# Altium PCB 3d_design_approx.PcbDoc (part 3 of 3) (continued)
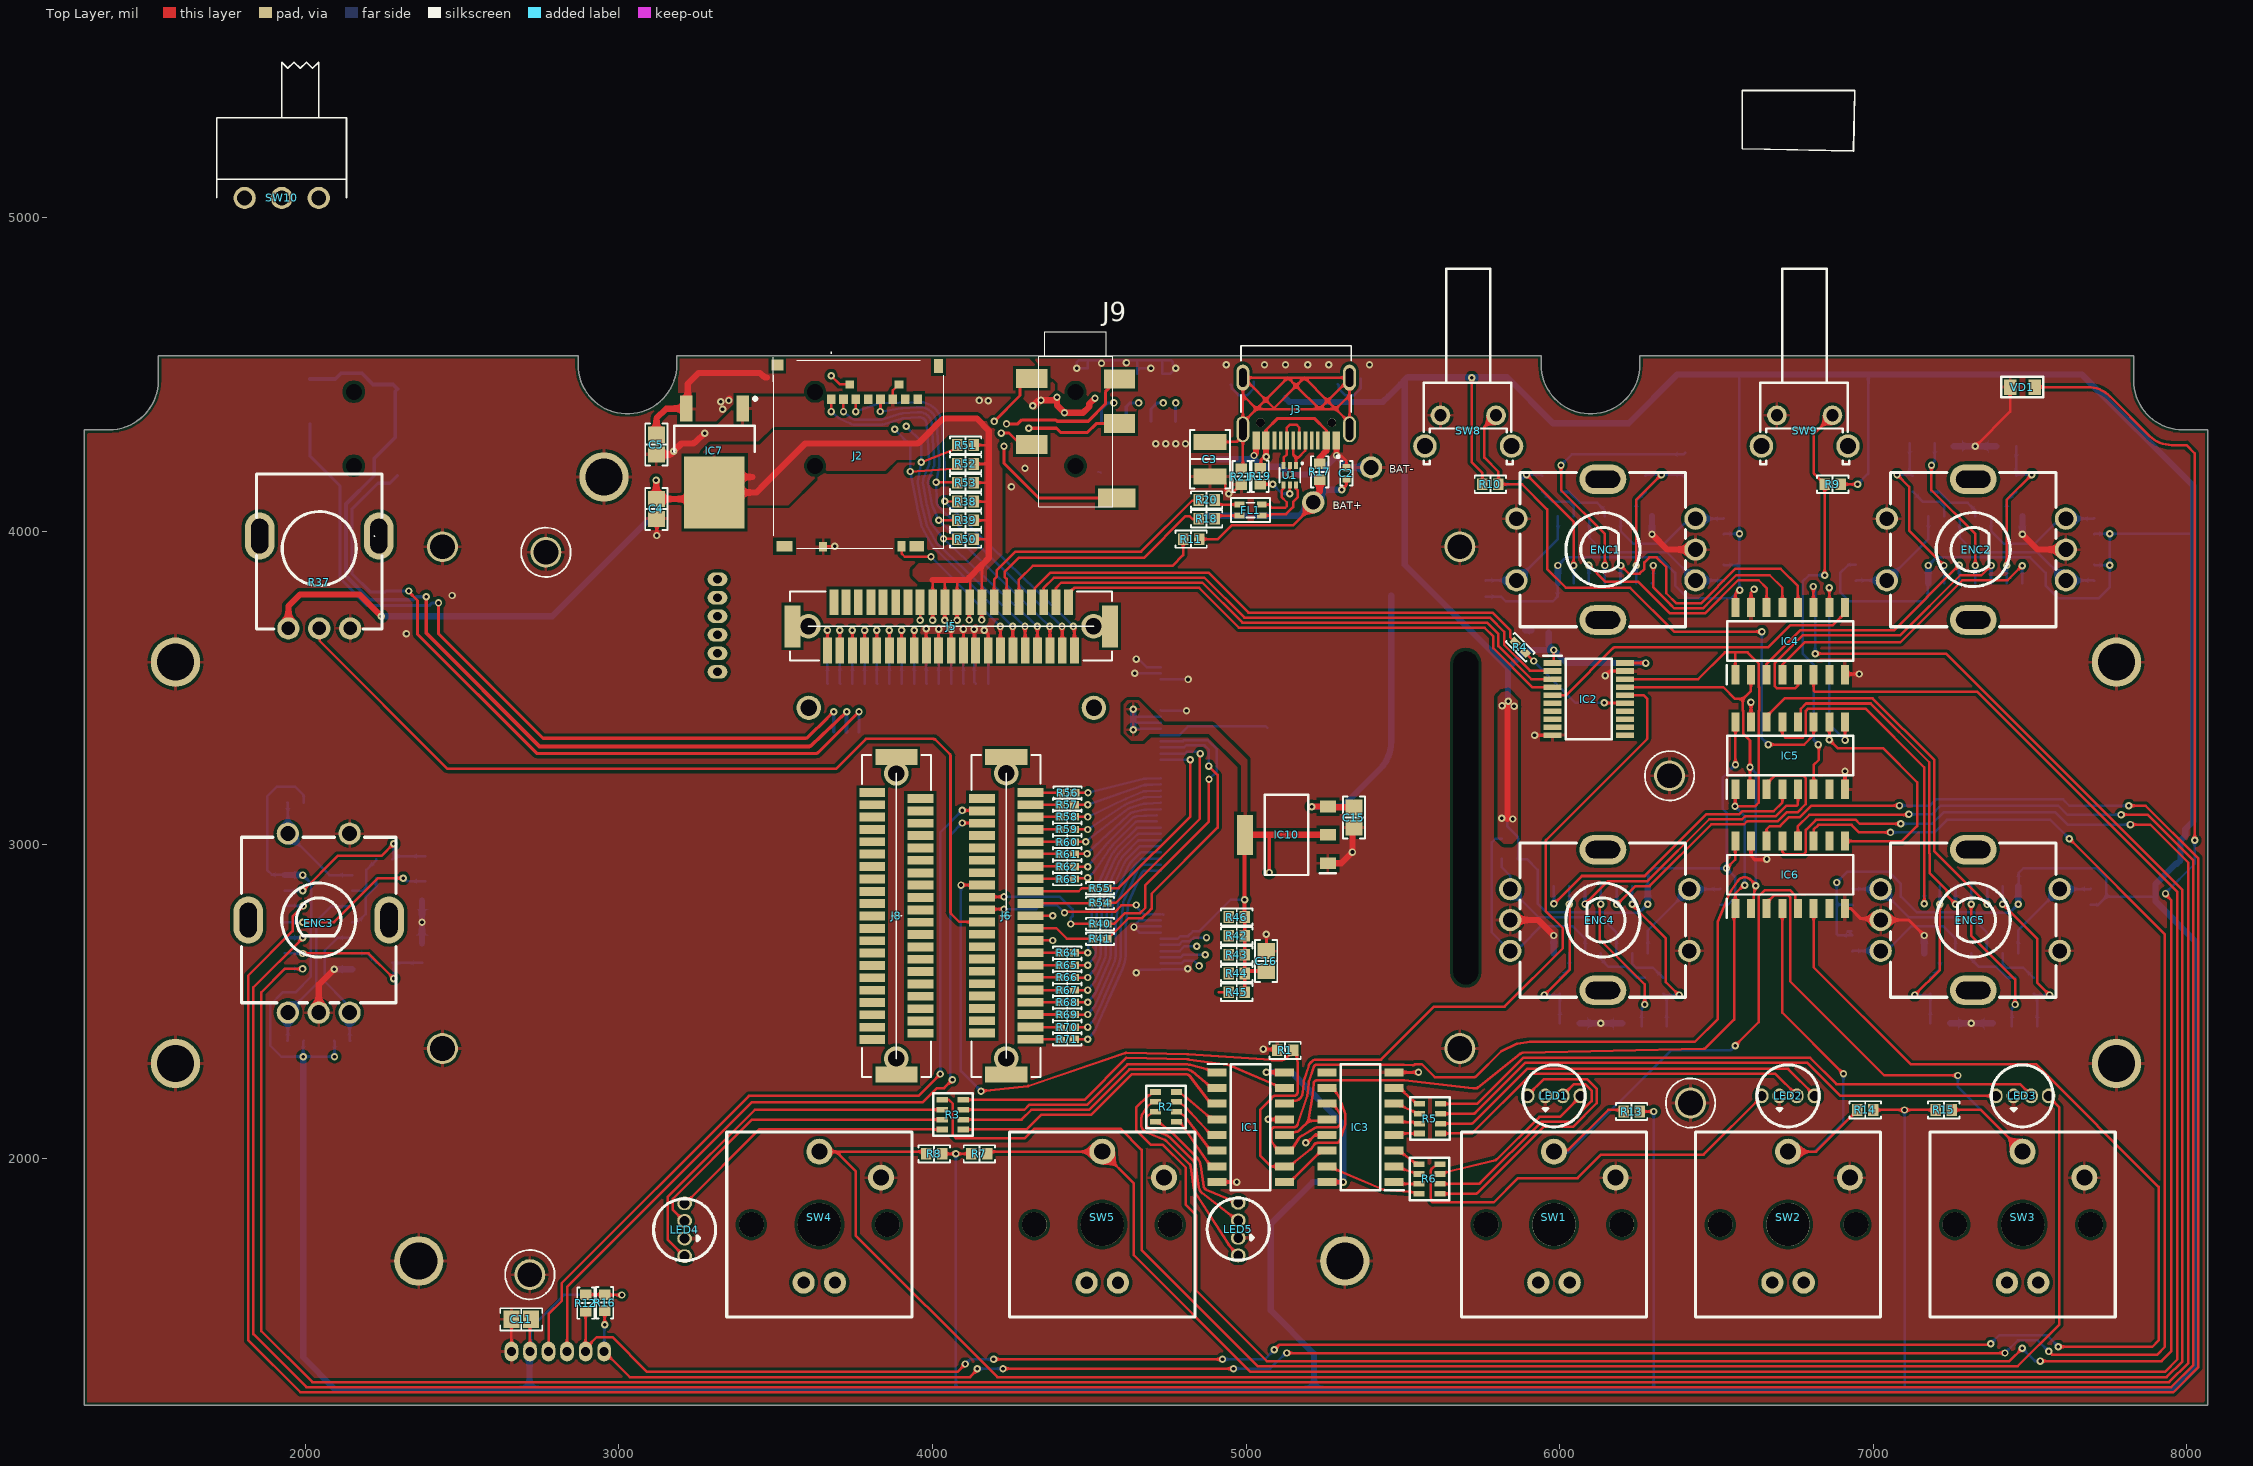
[diagram p0: Top Layer view]
## Nets (pads, with @x,y where several pads share a name; then routed paths per layer and width w, separated by ;. In a path a pad name is that pad's centre, name@x,y a point inside that pad or via, vN(x,y) a via of type N, cw(c..) or ccw(c..) an arc to the next point about the centre after c; other vN are vias at no path point) (continued)
  Top Layer w8: R3.8@4098.46,2187.24 4484.44,2187.24 4617.96,2320.76 4812.56,2316.09 cw(c4811.18,2256.1) 4819.01,2315.59 4939.79,2299.69 cw(c4938.23,2287.8) 4942.93,2298.84 5095.77,2233.8 IC1.15@5142.28,2225
NetIC2_15: IC2.15 R4.2 | length 385.6
  Top Layer w8: R4.2@5890.02,3613.91 v2(5917.32,3586.61) ; v1(6142,3453) 6142.4,3452.6 6208.27,3452.6 IC2.15@6208.67,3452.2
  Bottom Layer w8: v2(5917.32,3586.61) 6050.94,3453 v1(6142,3453)
NetIC3_1: IC3.1 R6.7 | length 89.7
  Top Layer w8: IC3.1@5462.28,1925 5498.8,1919.25 R6.7@5551.54,1919.25
NetIC3_2: IC3.2 R6.6 | length 67.4
  Top Layer w8: IC3.2@5490,1975 5498.8,1966.2 5537.82,1955.61 R6.6@5551.54,1950.75
NetIC3_3: IC3.3 R6.5 | length 75.7
  Top Layer w8: IC3.3@5490,2025 5498.8,2016.2 5537.82,1987.1 R6.5@5551.54,1982.24
NetIC3_4: IC3.4 R5.8 | length 91.1
  Top Layer w8: IC3.4@5462.28,2075 5498.8,2080 R5.8@5553.07,2080
NetIC3_5: IC3.5 R5.7 | length 67.5
  Top Layer w8: IC3.5@5490,2125 5498.8,2116.2 5539.35,2116.2 R5.7@5553.07,2111.5
NetIC3_6: IC3.6 R5.6 | length 71.5
  Top Layer w8: IC3.6@5490,2175 5498.8,2166.2 5539.35,2147.85 R5.6@5553.07,2142.99
NetIC3_7: IC3.7 R5.5 | length 81.8
  Top Layer w8: IC3.7@5490,2225 5498.8,2216.2 5539.35,2179.35 R5.5@5553.07,2174.49
NetIC3_15: IC3.15 R6.8 | length 294.3
  Top Layer w8: IC3.15@5275.43,1975 5284.23,1966.2 5437.12,1901.14 ccw(c5441.77,1912.2) 5440.8,1900.24 5537.82,1892.61 R6.8@5551.54,1887.76
NetIC4_10: IC4.10 IC5.9 | length 626.9
  Top Layer w8: IC4.10@6860,3757.28 v1(6860,3820) ; IC5.9@6910,3392.28 6910.11,3392.17 v1(6910.11,3334.47)
  Bottom Layer w8: v1(6860,3820) 6860,3384.58 v1(6910.11,3334.47)
NetIC5_10: IC5.10 IC6.9 | length 783
  Top Layer w8: IC5.10@6860,3392.28 v1(6860,3335) 6886.34,3308.66 7031.34,3308.66 7140,3200 7140,3060 7092.28,3012.28 IC6.9@6910,3012.28
NetIC11_IC101_2: IC11_IC101.2 R48_IC101.1 | length 151.1
  Bottom Layer w8: R48_IC101.1@5944.48,4125.44 5946.44,4125.44 5977.92,4093.96 6031.55,4093.96 6044.48,4081.03 IC11_IC101.2@6044.48,4048.32
NetIC11_IC101_4: IC11_IC101.4 R47_IC101.1 | length 182.3
  Bottom Layer w8: R47_IC101.1@6004.48,4125.44 6030.07,4125.44 6064.48,4091.03 6119.48,4091.03 6144.48,4066.03 IC11_IC101.4@6144.48,4048.32
NetIC11_IC101_6: IC11_IC101.6 R49_IC101.1 | length 90.7
  Bottom Layer w8: IC11_IC101.6@6244.48,4048.32 6244.48,4097.41 6271.52,4124.46 6273.49,4124.46 R49_IC101.1@6274.48,4125.44
NetIC11_IC102_2: IC11_IC102.2 R48_IC102.1 | length 151.1
  Bottom Layer w8: R48_IC102.1@7125.58,4125.44 7127.55,4125.44 7159.03,4093.96 7212.65,4093.96 7225.58,4081.03 IC11_IC102.2@7225.58,4048.32
NetIC11_IC102_4: IC11_IC102.4 R47_IC102.1 | length 182.3
  Bottom Layer w8: R47_IC102.1@7185.58,4125.44 7211.17,4125.44 7245.58,4091.03 7300.58,4091.03 7325.58,4066.03 IC11_IC102.4@7325.58,4048.32
NetIC11_IC102_6: IC11_IC102.6 R49_IC102.1 | length 90.7
  Bottom Layer w8: IC11_IC102.6@7425.58,4048.32 7425.58,4097.41 7452.63,4124.46 7454.59,4124.46 R49_IC102.1@7455.58,4125.44
NetIC11_IC103_2: IC11_IC103.2 R48_IC103.1 | length 151.1
  Bottom Layer w8: IC11_IC103.2@6231.06,2654.09 6231.06,2621.37 6243.99,2608.44 6297.61,2608.44 6329.1,2576.96 R48_IC103.1@6331.06,2576.96
NetIC11_IC103_4: IC11_IC103.4 R47_IC103.1 | length 182.3
  Bottom Layer w8: IC11_IC103.4@6131.06,2654.09 6131.06,2636.37 6156.06,2611.37 6211.06,2611.37 6245.47,2576.96 R47_IC103.1@6271.06,2576.96
NetIC11_IC103_6: IC11_IC103.6 R49_IC103.1 | length 90.7
  Bottom Layer w8: R49_IC103.1@6001.06,2576.96 6002.05,2577.95 6004.02,2577.95 6031.06,2604.99 IC11_IC103.6@6031.06,2654.09
NetIC11_IC104_2: IC11_IC104.2 R48_IC104.1 | length 151.1
  Bottom Layer w8: IC11_IC104.2@7412.17,2654.09 7412.17,2621.37 7425.1,2608.44 7478.72,2608.44 7510.2,2576.96 R48_IC104.1@7512.17,2576.96
NetIC11_IC104_4: IC11_IC104.4 R47_IC104.1 | length 182.3
  Bottom Layer w8: IC11_IC104.4@7312.17,2654.09 7312.17,2636.37 7337.17,2611.37 7392.17,2611.37 7426.58,2576.96 R47_IC104.1@7452.17,2576.96
NetIC11_IC104_6: IC11_IC104.6 R49_IC104.1 | length 90.7
  Bottom Layer w8: R49_IC104.1@7182.17,2576.96 7183.15,2577.95 7185.12,2577.95 7212.17,2604.99 IC11_IC104.6@7212.17,2654.09
NetIC11_IC105_2: IC11_IC105.2 R48_IC105.1 | length 151.1
  Bottom Layer w8: IC11_IC105.2@2149.84,2853.95 2182.56,2853.95 2195.49,2866.87 2195.49,2920.5 2226.97,2951.98 R48_IC105.1@2226.97,2953.95
NetIC11_IC105_4: IC11_IC105.4 R47_IC105.1 | length 182.3
  Bottom Layer w8: IC11_IC105.4@2149.84,2753.95 2167.56,2753.95 2192.56,2778.95 2192.56,2833.95 2226.97,2868.35 R47_IC105.1@2226.97,2893.95
NetIC11_IC105_6: IC11_IC105.6 R49_IC105.1 | length 90.7
  Bottom Layer w8: IC11_IC105.6@2149.84,2653.95 2198.94,2653.95 2225.99,2626.9 2225.99,2624.93 R49_IC105.1@2226.97,2623.95
NetJ3_A4B9: J3.A4B9 J3.B4A9 R17.2 R19.1 | length 475.5
  Top Layer w8: R19.1@5045,4200.59 5047.49,4203.08 5047.49,4227.49 5063.54,4243.54 5063.54,4238.63 v1(5064.21,4237.96)
  Top Layer w10: J3.B4A9@5063.54,4289.41 5063.54,4322.92 5100.62,4360 5217.97,4360 5256.46,4321.51 J3.A4B9@5256.46,4289.41
  Top Layer w20: v1@5063.54,4243.54 J3.B4A9@5063.54,4289.41 ; R17.2@5235,4215 5235,4235 5256.46,4256.46 J3.A4B9@5256.46,4289.41
NetR19_2: R19.2 U1.5 | length 135.7
  Top Layer w8: R19.2@5045,4149.41 5045.59,4150 v1(5085,4150) ; v1(5139.51,4119.81) 5139.6,4119.9 5139.6,4148.1 U1.5@5139.69,4148.19
  Bottom Layer w8: v1(5085,4150) 5115.19,4119.81 v1(5139.51,4119.81)
NRST: IC1.10 IC3.10 J6.26 R1.1 | length 2703
  Top Layer w8: v1(4091.11,2872.01) 4158.11,2872.01 J6.26@4158.47,2872.37 ; v1(4155,2215) 4303.74,2230.93 ccw(c4302.47,2242.87) 4306.34,2231.51 4612.8,2335.91 cw(c4617.96,2320.76) 4618.35,2336.76 4813.01,2332.08 cw(c4811.18,2256.1) 4816.22,2331.94 5081.29,2314.33 ccw(c5082.09,2326.3) 5082.09,2314.3 5115.55,2314.3 ccw(c5115.55,2326.3) 5123.79,2317.57 5137.27,2330.3 R1.1@5150,2345 5162.73,2330.3 5164.78,2288.38 cw(c5152.8,2287.8) 5164.8,2287.8 5164.8,2212.2 cw(c5152.8,2212.2) 5152.88,2200.2 5091.69,2199.8 ccw(c5091.77,2187.8) 5079.93,2189.73 ; 5079.93,2189.72 5079.77,2189.72 5045,2154.94 5045,2010 5080,1975 IC1.10@5122.28,1975 ; IC1.10@5122.96,1978.39 5140,1975 5148.8,1983.8 5206.16,2029.88 ccw(c5190,2050) 5211.59,2035.86 5217.16,2044.35 cw(c5227.2,2037.8) 5227.12,2049.79 5288.31,2050.2 ccw(c5288.23,2062.2) 5299.6,2058.36 5314.76,2103.24 ccw(c5288.23,2112.2) 5316.23,2112.2 5316.23,2137.8 ccw(c5288.23,2137.8) 5314.76,2146.76 5299.6,2191.64 ccw(c5288.23,2187.8) 5298.32,2194.29 5284.23,2216.2 IC3.10@5257.72,2225
  Bottom Layer w8: v1(4091.11,2872.01) 4091.11,2278.89 v1(4155,2215)
RHPOUT: J1.40 J4.5 | length 2483.6
  Top Layer w10: v2(2425.2,3771.65) 2425.2,3673.23 2758.43,3340 3595.86,3340 ccw(c3595.86,3350) 3602.93,3342.93 3664.51,3404.51 ; 3664.55,3404.55 v1@3682.21,3422.61 ; v1@3682.24,3422.64 cw(c3689.33,3415.59) 3682.92,3423.26 v1(3685,3425)
  Bottom Layer w10: J4.5@2015.24,4343.71 2015.24,4240.67 2111.1,4144.8 2111.1,3849.97 2198.04,3763.03 2322.13,3763.03 ; 2322.14,3763.02 2395.42,3763.02 2404.06,3771.65 v2(2425.2,3771.65) ; v1(3685,3425) 3685.5,3424.5 3685.5,3360.5 J1.40@3686,3360
RST_AUDIO: J7.3 J7.4
RST_GUI: J9.3 J9.4 | length 626.5
  Top Layer w10: v2(4196.85,4350.39) 4279.53,4433.07 4279.53,4462.66 4288.78,4471.91 J9.3@4316.69,4471.91 ; v2(4236.22,4342.52) 4272.67,4342.52 4285.43,4355.28 4392.99,4355.28 4397.13,4351.14 4496.81,4351.14 4551.46,4405.79 4551.46,4444.57 4576.46,4469.57 J9.4@4596.46,4469.57
SAI1_FS: J1.31 J5.11 | length 235.8
  Top Layer w8: J5.11@3862.88,3620.25 v1@3862.88,3684.88
  Bottom Layer w8: v1(3862.72,3685.04) 3862.72,3514.28 J1.31@3863,3514
SAI1_MCLK: J1.27 J5.15 | length 235.8
  Top Layer w8: J5.15@3941.88,3620.25 v1@3941.88,3684.88
  Bottom Layer w8: v1(3941.72,3685.04) 3941.72,3514.28 J1.27@3942,3514
SAI1_SCK: J1.33 J5.9 | length 236.2
  Top Layer w8: J5.9@3822.88,3620.25 v1@3822.88,3684.88
  Bottom Layer w8: v1(3822.72,3685.04) 3822.72,3515.28 J1.33@3824,3514
SAI1_SD_A: J1.35 J5.7 | length 236.2
  Top Layer w8: J5.7@3783.88,3620.25 v1@3783.88,3684.88
  Bottom Layer w8: v1(3783.72,3685.04) 3783.72,3515.28 J1.35@3785,3514
SAI1_SD_B: J1.29 J5.13 | length 236.2
  Top Layer w8: J5.13@3901.88,3620.25 v1@3901.88,3684.88
  Bottom Layer w8: v1(3901.72,3685.04) 3901.72,3515.28 J1.29@3903,3514
SAI4_SD_A: J1.39 J5.3 | length 236.4
  Top Layer w8: v1(3704.72,3685.04) 3704.88,3684.88 J5.3@3704.88,3620.25
  Bottom Layer w8: v1(3704.72,3685.04) 3704.72,3515.28 J1.39@3706,3514
SAI4_SD_B: J1.37 J5.5 | length 235.8
  Top Layer w8: J5.5@3744.88,3620.25 v1@3744.88,3684.88
  Bottom Layer w8: v1(3744.72,3685.04) 3744.72,3514.28 J1.37@3745,3514
SD_CK: J2.5 J5.39 R53.1 | length 1210.2
  Top Layer w8: v2(4011.67,4156.58) 4067.1,4156.02 cw(c4067.02,4148.02) 4067.46,4156.01 R53.1@4067.54,4156 ; R53.1@4067.59,4156 R53.1@4080,4155
  Top Layer w10: v2(3834.1,4381.94) 3834.37,4382.21 3834.37,4420.99 J2.5@3834.65,4421.26 ; v1(4413.39,3696.85) 4413.88,3696.35 J5.39@4413.88,3620.25
  Bottom Layer w8: v2(3834.1,4381.94) 3900.99,4391.83 cw(c3909.45,4334.65) 3904.65,4392.26 3951.91,4396.2 cw(c3956.69,4338.58) 4014.38,4342.42 4022.57,4224 cw(c3964.91,4219.85) 4021.69,4208.99 v2(4011.67,4156.58) ccw(c4019.54,4155.12) 4011.54,4154.81 4013.53,4094.74 ccw(c4039.33,4095.6) 4021.32,4077.11 v1(4413.39,3696.85)
SD_CMD: J2.3 J5.41 R38.1 | length 1295.5
  Top Layer w8: v2(3755.21,4381.89) 3755.21,4420.57 J2.3@3755.91,4421.26 ; v2(4039.33,4095.6) 4067.97,4094.58 ccw(c4068.25,4102.58) 4068.5,4094.58 R38.1@4080,4095
  Top Layer w10: v1(4448.82,3696.85) 4452.88,3692.79 J5.41@4452.88,3620.25
  Bottom Layer w8: v2(3755.21,4381.89) 3825.64,4406.33 cw(c3834.1,4381.94) 3833.12,4407.73 3953.88,4412.34 cw(c3956.69,4338.58) 4030.33,4343.68 4038.54,4224.94 cw(c3964.91,4219.85) 4038.72,4219.63 4038.37,4099.41 ccw(c4046.37,4099.39) v2(4039.33,4095.6) v2(4039.33,4095.6) ; v2(4039.33,4095.6) ccw(c4046.37,4099.39) 4040.79,4093.66 4431.34,3715.39 cw(c4413.39,3696.85) 4432.19,3714.53 v1(4448.82,3696.85)
SD_D0: J2.7 J5.31 R52.1 | length 1002.2
  Top Layer w8: v2(3929.18,4190.72) 4067.27,4200.3 R52.1@4080,4215
  Top Layer w10: v1(4255.91,3696.85) 4256.39,3696.36 4256.39,3620.74 J5.31@4256.88,3620.25
  Bottom Layer w8: v2(3879.73,4325.35) 3929.18,4275.9 v2(3929.18,4190.72) 3951.21,4078.25 ccw(c4039.33,4095.6) 3951.86,4075.21 3964.21,4022.41 ccw(c4020.49,4035.6) 3970.08,4007.31 3999.01,3955.85 ccw(c4035.43,3976.38) 4006.63,3946.07 4059.99,3895.55 cw(c4042.24,3876.81) 4060.62,3894.93 v1(4255.91,3696.85)
SD_D1: J2.8 J5.33 R51.1 | length 998
  Top Layer w8: v2(3964.91,4219.85) 4067.27,4260.3 R51.1@4080,4275
  Top Layer w10: v1(4295.28,3696.85) 4295.58,3696.55 4295.58,3620.55 J5.33@4295.88,3620.25
  Bottom Layer w8: v2(3916.45,4334.6) 3964.91,4286.14 v2(3964.91,4219.85) 3954.91,4167.52 ccw(c4011.67,4156.58) 3954.85,4145.92 3966.78,4082 ccw(c4039.33,4095.6) 3967.47,4078.71 3979.77,4026.11 ccw(c4020.49,4035.6) 3984.02,4015.17 4012.93,3963.73 ccw(c4035.43,3976.38) 4017.72,3957.61 v1(4295.28,3696.85)
SD_D2: J2.1 J5.35 R50.1 | length 1288.2
  Top Layer w8: v2(3677.17,4381.89) J2.1@3677.17,4421.26 ; v2(4035.43,3976.38) 4067.27,3976.38 R50.1@4080,3975
  Top Layer w10: v1(4334.65,3696.85) 4334.76,3696.73 4334.76,3620.37 J5.35@4334.88,3620.25
  Bottom Layer w8: v2(3677.17,4381.89) 3699.66,4362.36 ccw(c3716.54,4381.89) 3705.82,4358.41 3737.97,4343.8 ccw(c3755.21,4381.89) 3755.21,4340.08 3834.19,4340.13 ccw(c3834.1,4381.94) 3846.51,4342.01 3901.75,4359.28 cw(c3909.45,4334.65) 3907.31,4360.37 3954.55,4364.3 cw(c3956.69,4338.58) 3982.45,4340.29 3990.65,4221.75 cw(c3964.91,4219.85) 3988.7,4209.85 3973.14,4172.82 ccw(c4011.67,4156.58) 3970.58,4148.86 3982.51,4084.93 ccw(c4039.33,4095.6) 3983.07,4082.3 3995.35,4029.78 ccw(c4020.49,4035.6) 4000.4,4019.4 4034.68,3977.18 ccw(c4040.89,3982.22) v2(4035.43,3976.38) v1(4334.65,3696.85)
SD_D3: J2.2 J5.37 R39.1 | length 1296.3
  Top Layer w8: v2(3716.54,4381.89) J2.2@3716.54,4421.26 ; v2(4020.49,4035.6) 4067.16,4035.43 cw(c4067.13,4027.43) 4067.38,4035.43 R39.1@4080,4035
  Top Layer w10: v1(4374.02,3696.85) 4374.88,3695.98 J5.37@4374.88,3620.25
  Bottom Layer w8: v2(3716.54,4381.89) 3737.99,4362.67 ccw(c3755.21,4381.89) 3755.21,4356.08 3834.12,4356.13 ccw(c3834.1,4381.94) 3841.86,4357.32 3896.92,4374.54 cw(c3909.45,4334.65) 3905.98,4376.31 3953.22,4380.25 cw(c3956.69,4338.58) 3998.42,4341.3 4006.62,4222.73 cw(c3964.91,4219.85) 4003.44,4203.62 3987.92,4166.68 ccw(c4011.67,4156.58) 3986.32,4151.75 3998.23,4087.93 ccw(c4039.33,4095.6) 4001.18,4078.48 v2(4020.49,4035.6) ccw(c4027.79,4038.89) 4022.24,4033.12 v1(4374.02,3696.85)
SD_Detect: J2.11 J5.29 | length 511.9
  Top Layer w8: J2.11@3901.57,3952.76 3901.57,3929.13 3911.8,3918.91 v2(3995.64,3918.91)
  Top Layer w10: v1(4216.69,3696.85) 4216.79,3696.76 4216.79,3620.34 J5.29@4216.88,3620.25
  Bottom Layer w8: v2(3995.64,3918.91) v1(4216.69,3696.85)
SDI: H3.17
SDO: H3.18
SPI2_MISO: J6.32
SPI2_MOSI: J6.34
SPI2_NSS: J6.28
SPI2_SCK: J6.30
SWCLK_AUDIO: J7.5
SWCLK_GUI: J9.5 | length 306.8
  Top Layer w10: v2(4307.09,4328.47) 4395.61,4328.47 4409.12,4314.96 4493.96,4314.96 4522.59,4343.59 J9.5@4596.46,4343.59
SWDIO_AUDIO: J7.2
SWDIO_GUI\: J9.2 | length 118.9
  Top Layer w10: v2(4219.54,4313.33) 4244.28,4313.33 4296.69,4260.91 J9.2@4316.69,4260.91
SWO_AUDIO: J7.6
SWO_GUI: J9.6 | length 460.3
  Top Layer w10: v2(4228.35,4271.65) 4228.35,4216.54 4338.22,4106.66 J9.6@4588.03,4106.66
TE: H3.12 | length 351.6
  Bottom Layer w8: H3.12@4728.35,3350.39 4787.4,3350.39 4814.96,3377.95 5062.99,3377.95 5066.93,3374.02
TOUCH_X+: H3.7
TOUCH_X-: H3.5
TOUCH_Y+: H3.6
TOUCH_Y-: H3.4
UI_CLK: IC2.3 J5.38 | length 1785.1
  Top Layer w8: J5.38@4393.88,3774.25 4393.88,3819.25 4410.71,3836.08 4860.77,3836.08 4988.21,3708.64 5768.31,3708.64 5804.85,3672.09 5804.85,3633.7 5909.57,3528.98 IC2.3@5977.33,3528.98
UI_CS: IC2.2 J5.36 | length 1828.5
  Top Layer w8: J5.36@4354.88,3774.25 4354.88,3819.25 4387.71,3852.08 4867.4,3852.08 4994.84,3724.64 5777.89,3724.64 5822.83,3679.69 5822.83,3638.34 5905.18,3556 5975.9,3556 IC2.2@5977.33,3554.57
UI_MISO: J5.34 R4.1 | length 1705.6
  Top Layer w8: J5.34@4315.88,3774.25 4325.88,3784.25 4325.88,3817.22 4376.74,3868.08 4879.95,3868.08 5007.39,3740.64 5786.05,3740.64 5841.79,3684.9 5841.79,3662.15 R4.1@5858.01,3645.93
UI_MOSI: IC2.4 J5.40 | length 1731.4
  Top Layer w8: J5.40@4433.88,3774.25 4433.88,3801.25 4452.71,3820.08 4850.08,3820.08 4977.52,3692.64 5760.86,3692.64 5788.85,3664.64 5788.85,3627.07 5912.54,3503.39 IC2.4@5977.33,3503.39
USB_DN: J3.A7 J3.B7 U1.1 | length 154.2
  Top Layer w8: J3.A7@5150.16,4289.41 5150.16,4244.86 5159.37,4235.65 ; U1.1@5159.37,4210 5159.37,4235.65 ; J3.B7@5189.53,4289.41 5188.72,4288.6 5188.72,4256.87 5167.5,4235.65 5159.37,4235.65
USB_DP: J3.A6 J3.B6 U1.3 | length 213.6
  Top Layer w8: U1.3@5120,4210 5120,4235.02 5130.47,4245.49 J3.B6@5130.47,4289.41 5130.47,4330.79 5139.69,4340 5160.86,4340 5169.84,4331.02 J3.A6@5169.84,4289.41
USB_FS_DN: J5.30 R18.1 | length 794.8
  Top Layer w8: J5.30@4236.88,3774.25 4236.88,3848.12 4230,3855 4230,3870.18 4274.82,3915 4674.3,3915 4807.56,4048.26 4819.83,4048.26 4828.09,4040 R18.1@4848.82,4040
USB_FS_DP: J5.28 R20.1 | length 841.4
  Top Layer w8: J5.28@4196.88,3774.25 4196.88,3846.88 4205,3855 4205,3875.47 4264.69,3935.16 4665.71,3935.16 4828.58,4098.03 4846.85,4098.03 R20.1@4848.82,4100
USB_FS_SOF: J6.40
USB_FS_VBUS: J5.32 R11.1 | length 678.3
  Top Layer w8: J5.32@4275.88,3774.25 4275.88,3845.88 4320,3890 4765,3890 4799.41,3924.41 R11.1@4799.41,3975
V_USB: C2.2 J10.1 J10.3 J10.5 J10.7 pad.A@5214.35,4092.45 R11.2 R17.1 | length 1310.8
  Top Layer w8: R11.2@4850.59,3975 4910,3975 4954.14,4019.14 5149.14,4019.14 pad.A@5205,4075 ; v1(5305,4132.32) 5320,4147.32 C2.2@5320,4167.68
  Top Layer w20: pad.A@5214.35,4092.45 5214.35,4106.21 5235,4126.86 R17.1@5235,4163.82
  Bottom Layer w10: J10.7@4539.37,4350.39 4539.45,4350.47 4539.45,4389.84 4559.06,4409.45 v2(4578.74,4409.45) ; J10.5@4618.11,4350.39 4618.19,4350.47 4618.19,4397.72 4629.92,4409.45 v2(4657.48,4409.45) ; J10.3@4696.85,4350.39 4696.93,4350.47 4696.93,4389.84 4716.54,4409.45 v2(4736.22,4409.45) ; J10.1@4775.59,4350.39 v2(4775.59,4409.45)
  Bottom Layer w20: 4870,4050 5171.9,4050 pad.A@5214.35,4092.45 5254.23,4132.32 v1(5305,4132.32)
VSYNC: H3.40
pads on no net: ENC1.MT1 ENC1.MT2 ENC2.MT1 ENC2.MT2 ENC3.MT1 ENC3.MT2 ENC4.MT1 ENC4.MT2 ENC5.MT1 ENC5.MT2 H3.MP1 IC2.6 IC2.7 IC2.8 IC2.9 IC2.11 IC2.12 IC2.13 IC2.14 IC3.9 IC4.7 IC5.7 IC6.7 IC6.10 J1.1 J1.2 J1.3 J1.4 J1.5 J1.6 J1.7 J1.8 J1.9 J1.10 J1.11 J1.12 J1.13 J1.14 J1.16 J1.18 J1.42 J1.43 J1.44 J1.45 J2.MP1 J2.MP2 J2.MP3 J2.MP4 J3. J3.A5 J3.A8 J3.B5 J3.B8 J4.6 J4.257 J4.258 J5.2 J5.4 J5.6 J5.8 J5.10 J5.12 J5.14 J5.16 J5.42 J5.43 J5.44 J5.45 J6.42 J6.43 J6.44 J6.45 J7.257 J7.258 J8.1 J8.2 J8.3 J8.4 J8.5 J8.6 J8.7 J8.8 J8.9 J8.10 J8.11 J8.12 J8.13 J8.14 J8.15 J8.16 J8.17 J8.18 J8.19 J8.20 J8.21 J8.22 J8.23 J8.24 J8.25 J8.26 J8.27 J8.28 J8.29 J8.30 J8.31 J8.32 J8.33 J8.34 J8.35 J8.36 J8.37 J8.38 J8.39 J8.40 J8.41 J8.42 J8.43 J8.44 J8.45 J9.257 J9.258 J11.1 J11.2 J11.3 J11.4 J11.5 J11.6 J11.7 J11.8 J11.9 J11.10 J11.11 J11.12 J11.13 J11.14 R37.MT1 SW1. SW1.3 SW1.4 SW2. SW2.3 SW2.4 SW3. SW3.3 SW3.4 SW4. SW4.3 SW4.4 SW5. SW5.3 SW5.4 SW8.S SW9.S
copper on no net: | length 62.8
  Top Layer w8: v1(3960.63,3716.54) 3960.63,3773.99 3960.88,3774.25
  Bottom Layer w8: v1(3960.63,3716.54) 3963.46,3716.54 v1@3965,3715

## Polygon pours and split planes (outlines as drawn)
GND on Top Layer "NONET_L01_P-001" (solid, remove dead copper, pour order 15): 1299.21,4566.93 1299.21,1220.47 8070.87,1220.47 8070.87,4566.93
+MCU on Top Layer "NONET_L01_P-001" (solid, remove dead copper, pour order 13): 3248.03,4232.28 3292.19,4276.45 3449.67,4276.45 3523.62,4350.39 4173.23,4350.39 4222.97,4300.65 4222.97,3925.11 4173.23,3875.37 4173.23,3838.58 3956.69,3838.58 3937.01,3858.27 3937.01,3877.95 3956.69,3897.64 4114.17,3897.64 4165.41,3948.87 4165.41,4292.33 4149.53,4308.21 4052.3,4308.21 3972.44,4228.35 3885.83,4228.35 3850.39,4192.91 3649.16,4192.91 3540.15,4083.91 3335.88,4083.91 3326.77,4074.8
GND on Top Layer "NONET_L01_P-001" (solid, remove dead copper, pour order 8): 3248.03,4330.71 3346.46,4429.13 4249.8,4429.13 4297.39,4381.55 4297.39,4355.07 4200.94,4358.77 4172.81,4381.55 4042.26,4381.55 3981.52,4334.63 3485.52,4331.98 3444.88,4291.34 3267.72,4291.34 3248.03,4311.02
+5V on Top Layer "NONET_L01_P-001" (solid, remove dead copper, pour order 7): 3188.98,4350.39 3310.39,4350.39 3399.73,4439.73 4272.87,4439.73 4326.77,4385.83 4330.71,4389.76 4390,4449.06 4390,4468.27 4296.34,4561.93 3196.58,4561.93 3188.98,4564.07
3V_LCD on Top Layer "NONET_L01_P-001" (solid, pour order 0): 4657.48,3460.63 4622.05,3460.63 4610.24,3448.82 4610.24,3356.87 4634.79,3332.32 4670.91,3332.32 4692.91,3354.33 4881.89,3354.33 4984.25,3251.97 4984.25,3084.82 5007.87,3084.82 5003.94,3088.76 5003.94,3271.65 4893.7,3381.89 4736.22,3381.89
+5V on Top Layer "NONET_L01_P-001" (solid, remove dead copper, pour order 1): 5834.87,3490.89 5866.14,3459.62 5866.14,3020.56 5848.61,3003.04 5821.13,3003.04 5802.23,3021.93 5802.23,3472.85 5815.98,3486.59
GND on Bottom Layer "NONET_L01_P-001" (solid, remove dead copper, pour order 14): 1295,4325 1300,4330 1425,4330 1425,4335 1532.38,4442.38 1532.38,4558.73 2868.73,4558.73 2870,4560 2885,4545 2885,4465 2960,4390 2990,4390 3005,4375 3010,4380 3085,4380 3170,4465 3170,4545 3185,4560 5940,4560 5940,4530 5965,4450 6045,4385 6115,4375 6200,4415 6245,4475 6255,4560 7830,4560 7830,4475 7865,4385 7930,4335 8065,4325 8070,4320 8070,1215 1295,1215
+5V on Bottom Layer "NONET_L01_P-001" (solid, remove dead copper, pour order 12): 4287.4,4488.19 4287.4,4350.39 4389.76,4350.39 4389.76,4488.19
+5V on Bottom Layer "NONET_L01_P-001" (solid, remove dead copper, pour order 11): 4389.76,4488.19 4842.52,4488.19 4881.89,4448.82 5354.33,4448.82 5466.21,4560.7 7840.87,4560.7 8070.87,4330.71 8070,4329.84 8070,1215 2722.01,1215 2696.85,1240.16 2696.85,1299.21 2716.54,1318.9 7893.7,1318.9 7952.76,1377.95 7952.76,2659.49 7830.12,2755.1 7830.52,2928.94 7893.7,2992.13 7893.7,4114.17 7618.11,4389.76 7027.56,4389.76 6929.13,4291.34 6574.8,4291.34 6515.75,4350.39 6397.64,4350.39 6311.9,4264.65 5597.55,4264.65 5570.87,4291.34 5354.33,4291.34 5295.28,4350.39 4389.76,4350.39
+5V on Bottom Layer "NONET_L01_P-001" (solid, remove dead copper, pour order 4): 3415.73,4430.73 3415.73,4037.73 3244,3866 3244,3610.16 3290.16,3564 3825.85,3564 3983.73,3406.13 3983.73,3306.73 3904,3227 3280,3227 3089,3418 3089,3869 3316,4096 3316,4431
+5V on Bottom Layer "NONET_L01_P-001" (solid, remove dead copper, pour order 10): 5452.76,4311.02 5452.76,3779.53 5624.95,3607.34 5744.09,3577.26 5744.09,3497.46 5811.24,3421.05 5846.23,3421.05 5866.14,3440.96 5866.14,3555.12 5531.5,3889.76 5531.5,4299.91 5532.66,4301.07

## Silkscreen, mask and mechanical layers (free items; w line width, h text height)
Top Overlay:
  circle w6: c2716.54,1629.92 r78.74
  circle w6: c2767.72,3933.07 r78.74
  circle w6: c6350.39,3220.47 r78.74
  circle w6: c6417.32,2177.17 r78.74
  lines w1: 3492.13,4476.38 3492.13,4555.12 ; 4035.43,4188.98 4035.43,4283.46
  lines w5: 6582.68,5220.47 6582.68,5405.51 6940.94,5405.51 6937.01,5212.6 6582.68,5220.47
  text "BAT-" at 5456,4186 h25
  text "BAT+" at 5276,4071 h25
Bottom Overlay:
  circle w6: c7775.59,3582.68 r118.11
  circle w6: c7775.59,2303.15 r118.11
  circle w6: c5314.96,1673.23 r118.11
  circle w6: c2362.2,1673.23 r118.11
  circle w6: c1586.61,2303.15 r118.11
  circle w6: c1586.56,3582.68 r118.11
  circle w6: c2437.8,3950.86 r78.74
  circle w6: c5681.97,3950.86 r78.74
  circle w6: c5681.97,2350.86 r78.74
  circle w6: c2437.8,2350.86 r78.74
  lines w5: 2153.54,4480.31 2155,4445 2208.66,4444.88 ; 4271.65,4511.81 4271.65,4445 4314.96,4444.88
outline:
  the board outline again, w5
Mechanical 4:
  circle w6: c2767.72,3933.07 r39.37
  circle w6: c6350.39,3220.47 r39.37
  circle w6: c6417.32,2177.17 r39.37
  circle w6: c2716.54,1629.92 r39.37
  circle w6: c1586.61,2303.15 r59.06
  circle w6: c1586.56,3582.68 r59.06
  circle w6: c7775.59,3582.68 r59.06
  circle w6: c7775.59,2303.15 r59.06
  circle w6: c5681.97,2350.86 r39.37
  circle w6: c5681.97,3950.86 r39.37
  circle w6: c5314.96,1673.23 r70.72
  circle w6: c2952.76,4173.23 r59.06
  circle w6: c2437.8,2350.86 r39.37
  circle w6: c2437.8,3950.86 r39.37
  circle w6: c2362.2,1673.23 r59.06
  circle w0.5: c2043.28,2760.65 r137.8
  circle w0.5: c2043.28,3941.75 r137.8
  circle w0.5: c2043.28,3941.75 r137.8
  lines w0.5: 1275.57,1410.25 1314.94,1410.25 ; 1295.25,1390.57 1295.25,1429.93 ; 2023.6,2760.65 2062.97,2760.65 ; 2023.6,3941.75 2062.97,3941.75 ; 2043.28,2740.97 2043.28,2780.34 ; 2043.28,3922.07 2043.28,3961.44 ; 3619.75,1789.6 3659.12,1789.6 ; 3639.43,1769.91 3639.43,1809.29 ; 4070.84,3349.14 4110.21,3349.14 ; 4090.53,3329.46 4090.53,3368.83 ; 4521.94,1789.6 4561.31,1789.6 ; 4541.62,1769.91 4541.62,1809.29 ; 4669,3349.14 4669,3359 ; 5962.26,1789.6 6001.63,1789.6 ; 5981.95,1769.91 5981.95,1809.29 ; 6708.64,1789.6 6748.01,1789.6 ; 6728.32,1769.91 6728.32,1809.29 ; 7456.67,1789.6 7496.04,1789.6 ; 7476.35,1769.91 7476.35,1809.29 ; 1373.99,1332.42 7988.16,1332.42 7988.16,4677.97 1373.99,4677.97 1373.99,1332.42 ; 2645.64,2357.02 ccw(c2724.38,2357.02) 2724.38,2278.28 5456.67,2278.28 ccw(c5456.67,2357.02) 5535.41,2357.02 5535.41,4341.27 ccw(c5456.67,4341.27) 5456.67,4420.01 2724.38,4420.01 ccw(c2724.38,4341.27) 2645.64,4341.27 2645.64,2357.02 ; 3344.15,1533.69 ccw(c3383.52,1533.69) 3383.52,1494.32 3895.34,1494.32 ccw(c3895.34,1533.69) 3934.71,1533.69 3934.71,2045.51 ccw(c3895.34,2045.51) 3895.34,2084.88 3383.52,2084.88 ccw(c3383.52,2045.51) 3344.15,2045.51 3344.15,1533.69 ; 4246.35,1533.69 ccw(c4285.72,1533.69) 4285.72,1494.32 4797.53,1494.32 ccw(c4797.53,1533.69) 4836.9,1533.69 4836.9,2045.51 ccw(c4797.53,2045.51) 4797.53,2084.88 4285.72,2084.88 ccw(c4285.72,2045.51) 4246.35,2045.51 4246.35,1533.69 ; 5686.67,1656.12 ccw(c5726.04,1656.12) 5726.04,1616.75 6237.86,1616.75 ccw(c6237.86,1656.12) 6277.23,1656.12 6277.23,1923.08 ccw(c6237.86,1923.08) 6237.86,1962.45 5726.04,1962.45 ccw(c5726.04,1923.08) 5686.67,1923.08 5686.67,1656.12 ; 6433.05,1656.12 ccw(c6472.42,1656.12) 6472.42,1616.75 6984.23,1616.75 ccw(c6984.23,1656.12) 7023.6,1656.12 7023.6,1923.08 ccw(c6984.23,1923.08) 6984.23,1962.45 6472.42,1962.45 ccw(c6472.42,1923.08) 6433.05,1923.08 6433.05,1656.12 ; 7181.08,1656.12 ccw(c7220.45,1656.12) 7220.45,1616.75 7732.26,1616.75 ccw(c7732.26,1656.12) 7771.63,1656.12 7771.63,1923.08 ccw(c7732.26,1923.08) 7732.26,1962.45 7220.45,1962.45 ccw(c7220.45,1923.08) 7181.08,1923.08 7181.08,1656.12
  lines w5: 2649.11,1511.02 2649.11,4030.71 ; 2649.11,1511.18 6698.68,1511.18 6698.68,4030.86 2649.11,4030.86 ; 2366.97,2219.84 4059.88,2219.84 5752.8,2219.84 5752.8,4030.86 4059.88,4030.86 2366.97,4030.86 2366.97,2219.84
  lines w8: 4937.01,1265.75 5045.28,1265.75 5070.87,1240.16 ; 5465,4415 5480.71,4399.29 ccw(c5551.42,4470) 5551.42,4370 5620,4370 ; 5739.99,4227.97 5794.73,4173.23 5826.77,4173.23 ; 6783.66,4236.61 6827.36,4192.91 6881.89,4192.91

## Text inside footprints (layer, text, board x,y; h text height)
H3: Bottom Overlay "1" at 4647.93,3571.28 h25 r90; Bottom Overlay "5" at 4647.93,3492.54 h25 r90; Bottom Overlay "10" at 4647.93,3394.12 h25 r90; Bottom Overlay "15" at 4647.93,3295.69 h25 r90; Bottom Overlay "20" at 4647.93,3197.27 h25 r90; Bottom Overlay "25" at 4647.93,3098.84 h25 r90; Bottom Overlay "30" at 4647.93,3000.42 h25 r90; Bottom Overlay "35" at 4647.93,2901.99 h25 r90; Bottom Overlay "40" at 4647.93,2803.57 h25 r90; Bottom Overlay "45" at 4647.93,2705.14 h25 r90; Bottom Overlay "50" at 4647.93,2606.72 h25 r90